# Altium PCB imx6ull开发板.PcbDoc (part 3 of 3) (continued)
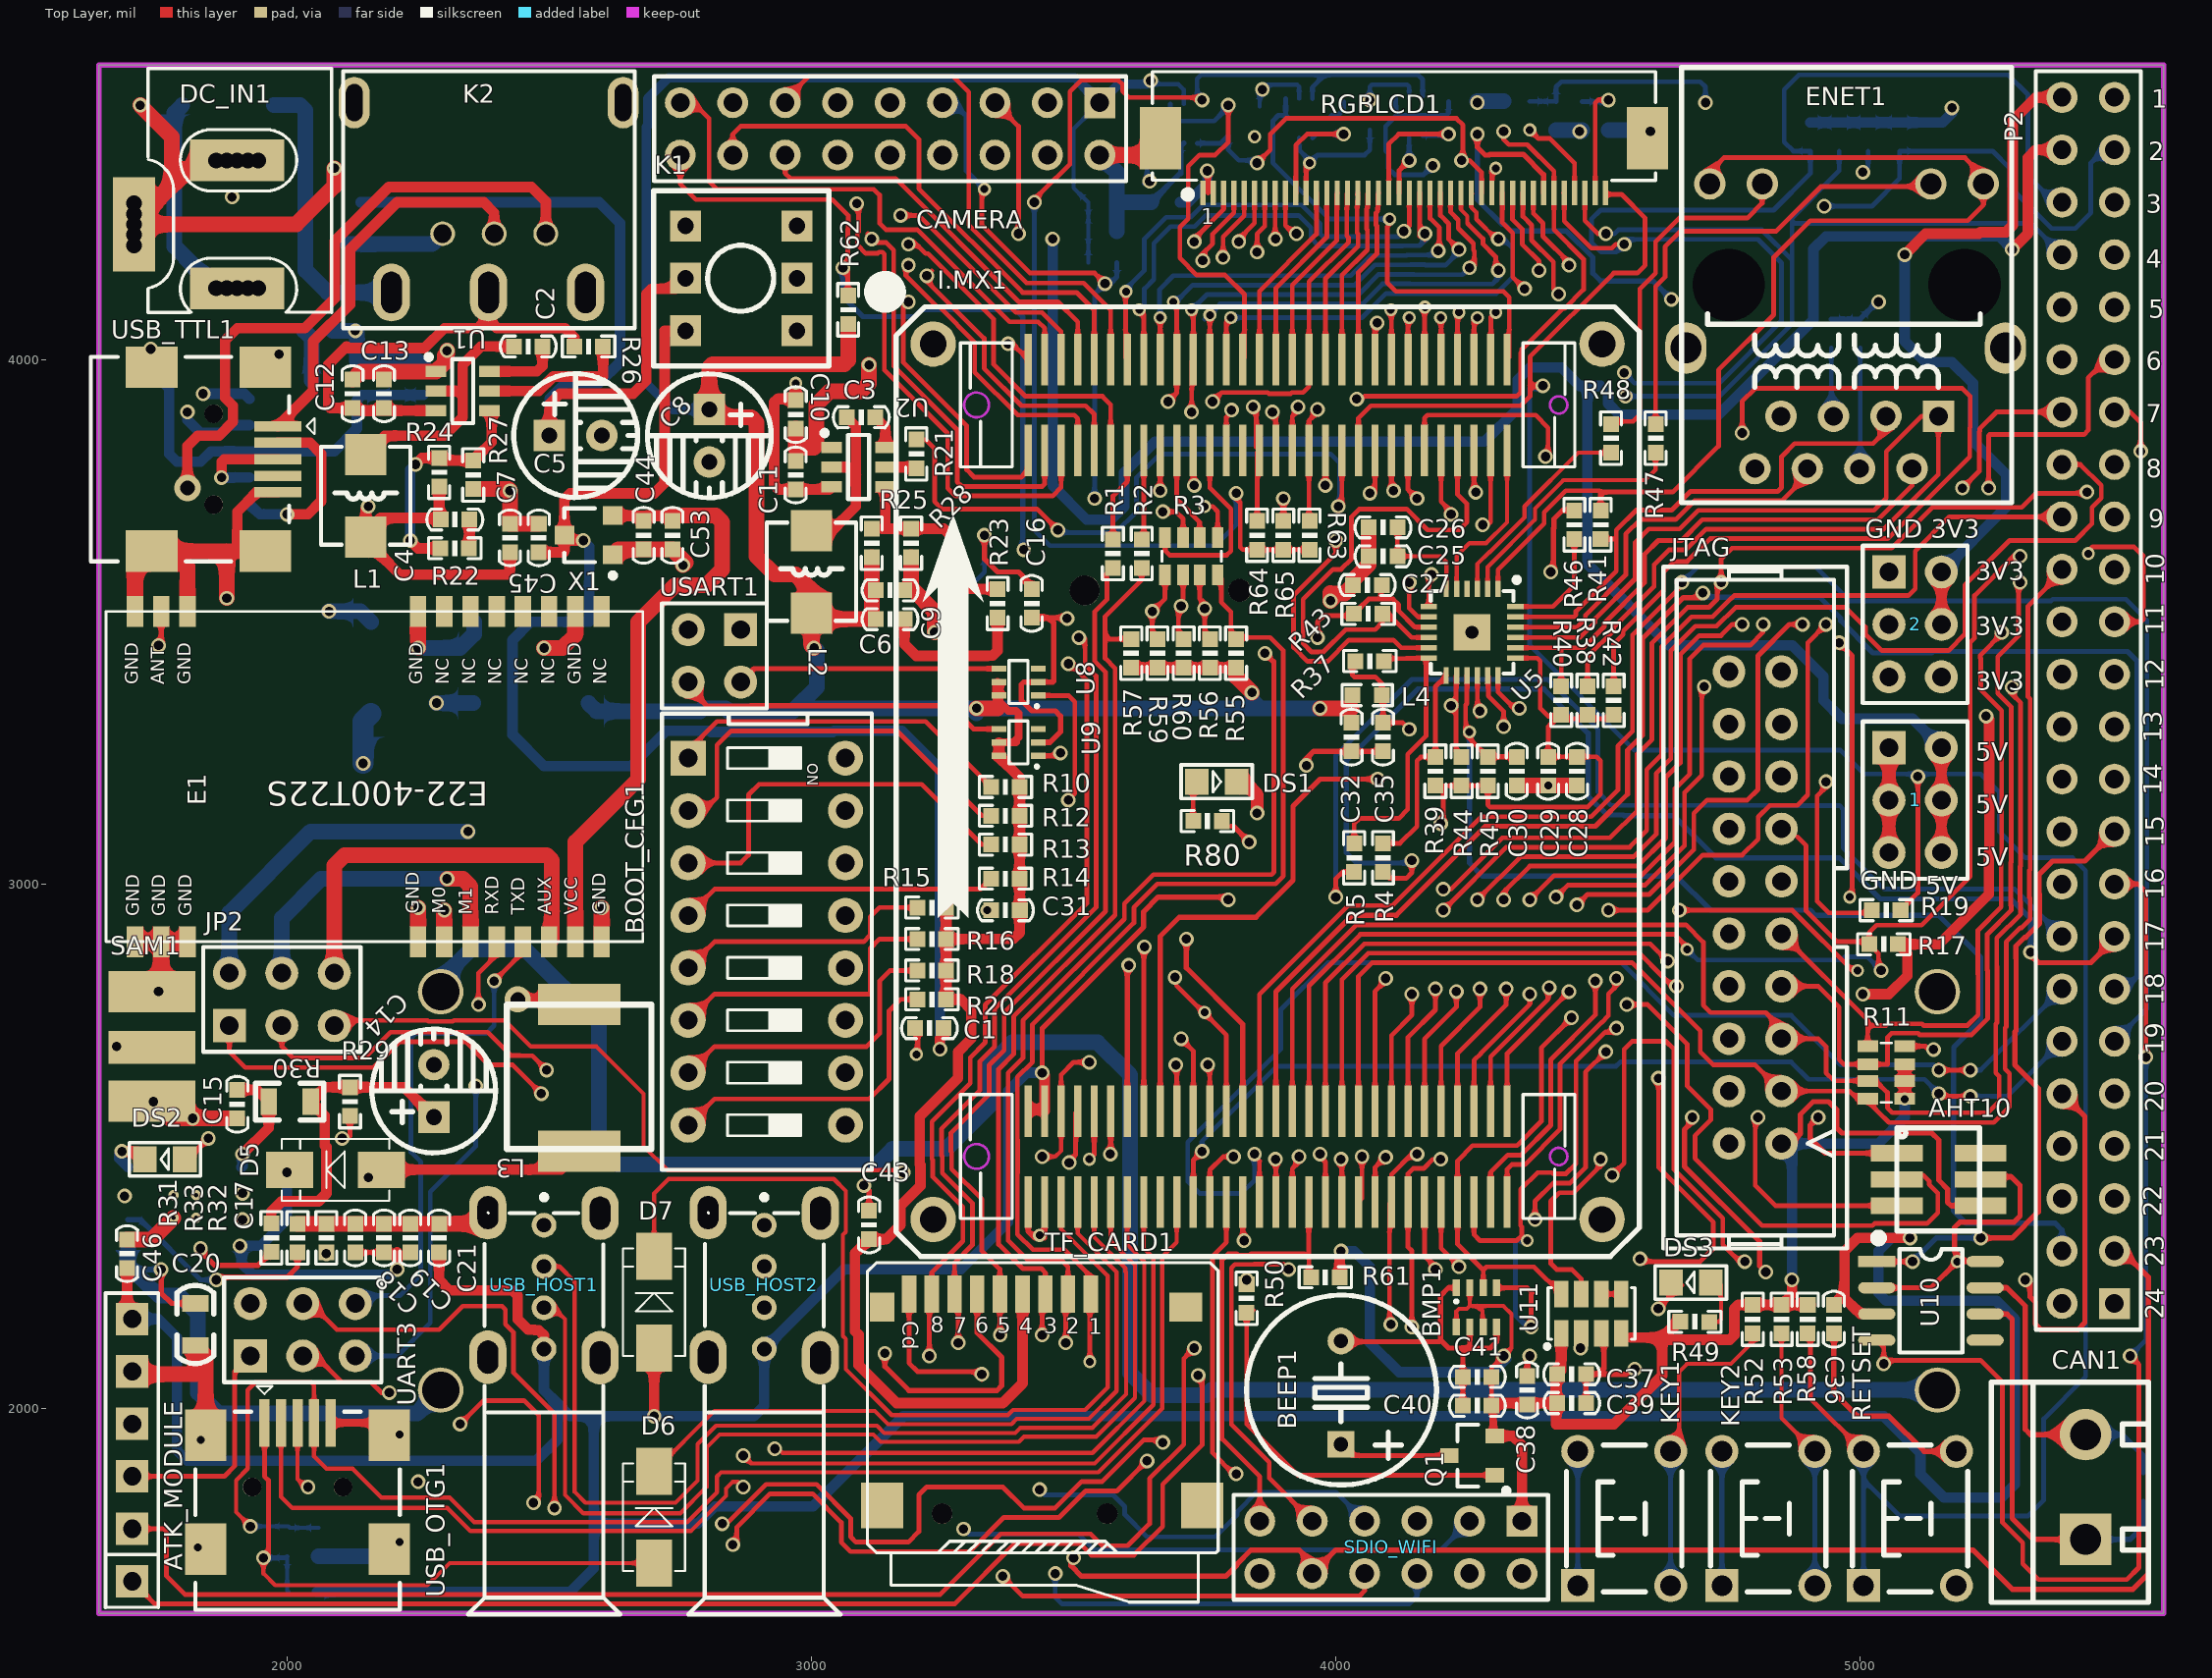
[diagram p0: Top Layer view]
## Nets (pads, with @x,y where several pads share a name; then routed paths per layer and width w, separated by ;. In a path a pad name is that pad's centre, name@x,y a point inside that pad or via, vN(x,y) a via of type N, cw(c..) or ccw(c..) an arc to the next point about the centre after c; other vN are vias at no path point) (continued)
RESET: I.MX1.J1_40 R19.1 R58.1 RETSET.1 RGBLCD1.40 | length 5198.4
  Top Layer w9: I.MX1.J1_40@4043.23,3826.89 4043.23,3888.23 4067,3912 4352.46,3912 4370.46,3930 4370.46,3950 ; v1(4395,3950) 4370.46,3950 ; RGBLCD1.40@4514.36,4317.79 4517.15,4315 4545,4315 4590,4270 4590,4180 4575,4165 4530,4165 4370.46,4005.46 4370.46,3950 ; R58.1@4905,2140 4905,2019.37 RETSET.1@5006.42,1917.95 ; R19.1@5077,2950 5110,2983 v1(5110,3205)
  Bottom Layer w9: v1(4395,3950) 4400,3945 4370,3945 4370,3455 4570,3255 4962.93,3255 5007.93,3210 5230,3210 5265,3175 5265,3100 5315,3050 5405,3050 5430,3025 5430,2060 5350,1980 5350,1825 5320,1795 5075,1795 5006.42,1863.58 ; RETSET.1@5006.42,1662.05 5006.42,1863.58 ; RETSET.1@5006.42,1917.95 5006.42,1863.58
RXD: U6.3 USART1.1 | length 1674
  PWR w20: v1@1807,3907 1807,3948.67 1826.33,3968 1972,3968 2080,3860 2080,3661.01 2132.01,3609 2709.33,3609 2741.33,3641 2834,3641 2865,3610 USART1.1@2865,3485
  Bottom Layer w20: v1(1810,3900) 1810,3885 1835.11,3859.89 1875.21,3859.89 1890.32,3875 U6.3@1928.27,3875
SGM_CTRL: R63.2 R64.2 R65.2 U12.6 U13.6 U14.6 | length 2430.7
  Top Layer w9: v1(3425,4300) 3425,4305 3466.97,4346.97 3467.82,4346.97 3493.03,4372.18 3493.03,4511.17 3514.88,4533.03 3585.12,4533.03 3593.03,4525.12 3593.03,4511.97 3605,4500 3745,4500 v1(3745,4495) ; v1(3810,3745) 3810,3735 3818,3727 3818,3642 3822.5,3637.5 R64.2@3849.94,3637.5 R65.2@3899.94,3637.5 R63.2@3949.94,3637.5
  Bottom Layer w9: v1(3425,4300) 3425,3675 3455,3645 3770,3645 3810,3685 v1(3810,3745) ; U14.6@3735.59,4495 3735.59,4535.59 3742.88,4542.88 3979.06,4542.88 ; U12.6@3955.59,4497.4 3955.59,4519.41 3979.06,4542.88 ; U13.6@4165.59,4502.4 4165.59,4534.41 4157.12,4542.88 3979.06,4542.88
SNVS_TAMPER0: I.MX1.J2_6 P2.3 SDIO_WIFI.10 | length 3726.5
  Top Layer w10: v1(3500,1715) 3495,1710 3495,1700 3515,1680 3790,1680 3811.47,1701.47 3811.47,1703.03 3838.44,1730 3930,1730 3955,1705 SDIO_WIFI.10@3955,1685 4000,1730 5215,1730 5290,1655 5520,1655 5550,1685 5550,2250 5500,2300 P2.3@5485,2300 ; v1(3570,2485) 3570.79,2485.79 I.MX1.J2_6@3570.79,2567.05
  PWR w10: v1(3500,1715) 3500,2100 3570,2170 v1(3570,2485)
SNVS_TAMPER2: I.MX1.J2_12 P2.8 SDIO_WIFI.9 | length 4163.3
  Top Layer w9: v1(3755.77,2655.24) 3759.76,2655.24 I.MX1.J2_12@3759.76,2567.05 ; v1(3910,2265) 3900,2275 3844.35,2275 3843.85,2274.5 3807.5,2274.5 3801,2268 3801,1969 3873,1897 3873,1867 SDIO_WIFI.9@3955,1785
  PWR w9: v1(3755.77,2655.24) 3755.77,2645.77 3737.5,2627.5 3672.5,2627.5 3659,2614 3659,2421 3715,2365 3805.65,2365 3806.15,2365.5 3879.5,2365.5 3910,2335 v1(3910,2265) ; SDIO_WIFI.9@3955,1785 3998.03,1828.03 4272.82,1828.03 4298.03,1802.82 4298.03,1741.97 4311.97,1728.03 4523.52,1728.03 4542.54,1709 5264.91,1709 5356,1800.09 5356,2031 5481.97,2156.97 5520.12,2156.97 5550,2186.85 5550,2600 5500,2650 5455,2650 5428.03,2623.03 5428.03,2543.03 P2.8@5385,2500
TXD: U6.2 USART1.3 | length 1350.3
  PWR w20: v1(1840,3935) 1841.67,3933.33 1956.67,3933.33 2050,3840 2050,3650 2120,3580 2730,3580 2765,3545 USART1.3@2765,3485
  Bottom Layer w20: v1(1840,3935) 1918.27,3935 U6.2@1928.27,3925
UART1_RXD: I.MX1.J2_46 P2.14 U9.1 | length 3727.7
  Top Layer w9: U9.1@3432.4,3244.41 3469.41,3244.41 v1(3475,3250) ; v1(3845,2485) 3845,2481.5 3855,2471.5 3854.25,2470.75 I.MX1.J2_46@3854.25,2393.82 ; v1@5150,2655 v1(5150,2645) v1(5210,2645)
  PWR w9: v1(3475,3250) 3485,3240 3574.54,3240 3665.78,3148.77 3665.78,2810.74 3681.88,2794.63 3704.67,2794.63 3765.04,2855 3925,2855 3954,2826 3954,2588.54 3859.96,2494.5 3849.5,2494.5 3845,2490 v1(3845,2485)
  Bottom Layer w9: v1(3845,2485) 3845,2435 3820,2410 3740,2410 3717.5,2432.5 3717.5,2507.5 3895,2685 3895,2760 3985,2850 4543.89,2850 4644.39,2749.5 4868.43,2749.5 4962.93,2655 5140,2655 v1(5150,2645) ; v1@5202.33,2645 v1(5210,2645) 5230,2645 P2.14@5385,2800
UART1_TXD: I.MX1.J2_50 P2.12 U8.1 | length 3479.7
  Top Layer w9: U8.1@3432.4,3359.41 3490.59,3359.41 3502.5,3347.5 3502.5,3172.5 v1(3490,3160) ; I.MX1.J2_50@3728.27,2393.82 3728.27,2473.27 v1(3745,2490) v1@3745,2485 ; v1(5150,2600) 5155,2595 v1(5210,2595) 5205,2590 v1@5205,2600
  PWR w9: v1(3490,3160) 3490,2805 3518.37,2776.63 3712.12,2776.63 3770.5,2835 3895,2835 3930,2800 3930,2590 3852.5,2512.5 3761.39,2512.5 3738.89,2490 v1(3745,2490)
  Bottom Layer w9: v1(3745,2490) 3745,2509.54 3887.96,2652.5 4534.5,2652.5 4542.5,2660.5 4868.43,2660.5 4901.43,2627.5 5122.5,2627.5 v1(5150,2600) ; v1(5210,2595) 5280,2595 P2.12@5385,2700
UART2_CTS: I.MX1.J2_39 P2.20 | length 2147.7
  Top Layer w9: I.MX1.J2_39@4074.72,2393.82 4075,2394.09 4075,2460 4093.89,2478.89 v1(4095,2478.89)
  PWR w9: v1(4095,2478.89) 4090,2483.89 4155.72,2549.61 4547.22,2549.61 4695.82,2401 4782.1,2401 4782.6,2401.5 4907.87,2401.5 5010.37,2504 5272.37,2504 5294,2525.63 5294,2934 5315,2955 5405,2955 5430,2980 5430,3055 P2.20@5385,3100
UART2_RTS: I.MX1.J2_40 P2.18 | length 2033.5
  Top Layer w9: I.MX1.J2_40@4043.23,2393.82 4050,2400.59 v1(4050,2480)
  PWR w9: v1(4050,2480) 4050,2473.89 4143.72,2567.61 4554.67,2567.61 4703.28,2419 4774.65,2419 4775.15,2419.5 4900.41,2419.5 5002.91,2522 5264.91,2522 5276,2533.09 5276,2981 5295,3000 P2.18@5385,3000
UART2_RXD: I.MX1.J2_41 P2.22 | length 2250.1
  Top Layer w9: v1(4010,2475) 4011.73,2473.27 I.MX1.J2_41@4011.73,2393.82
  PWR w9: v1(4010,2475) 4010,2478.89 4116.72,2585.61 4562.13,2585.61 4710.73,2437 4767.19,2437 4767.69,2437.5 4892.96,2437.5 4998,2542.54 5250,2542.54 5258,2550.54 5258,3178 5280,3200 P2.22@5385,3200
UART2_TXD: I.MX1.J2_42 P2.24 | length 2380.7
  Top Layer w9: v1(3970,2485) 3970,2480 3980.24,2469.76 I.MX1.J2_42@3980.24,2393.82
  PWR w9: v1(3970,2485) 3970,2475 4098.61,2603.61 4569.58,2603.61 4718.19,2455 4759.73,2455 4760.23,2455.5 4885.5,2455.5 4990.54,2560.54 5225.54,2560.54 5240,2575 5240,3250 5290,3300 P2.24@5385,3300
UART3_RXD: I.MX1.J2_37 P2.35 UART3.4 | length 6254
  Top Layer w9: UART3.4@2030,2200 2045,2200 2095,2150 2290,2150 2335,2195 2410,2195 2416.5,2188.5 2416.5,2160.27 2431.93,2144.83 2431.93,2068.07 2510,1990 v1(2510,1810) ; v1(2830,1780) 2838.89,1780 2913.89,1855 3010,1855 3075,1790 3075,1755 3085,1745 3185,1745 3205,1765 3205,1835 3220,1850 3365,1850 3405,1810 3465,1810 3515.5,1860.5 3554.5,1860.5 3634,1940 v1@3665,1940 ; v1(4145,2155) 4145,2300.43 4137.72,2307.72 I.MX1.J2_37@4137.72,2393.82 4137.72,2447.72 4147.5,2457.5 4167.5,2457.5 4185,2475 v1(4200,2475) ; P2.35@5485,3900 5515,3900 5535,3880 v1(5535,3825)
  PWR w9: v1(2510,1810) 2580,1740 2805,1740 2830,1765 v1(2830,1780) ; v1(3670,1935) 3670,1965 3682,1977 4067.46,1977 4145,2054.54 v1(4145,2155) ; v1(4200,2475) 4315,2475 4353.61,2513.61 4532.31,2513.61 4681.91,2364 4796.01,2364 4797.51,2365.5 4922.78,2365.5 5025.28,2468 5287.28,2468 5330,2510.72 5330,2740 5340,2750 5535,2750 5560,2775 5560,3825 5555,3830 5540,3830 v1(5535,3825)
UART3_TXD: I.MX1.J2_38 P2.33 UART3.3 | length 5984.6
  Top Layer w9: UART3.3@2030,2100 2055,2100 2105,2050 2160,2050 2180,2030 v1(2195,2030) ; v1(2330,1970) 2375,2015 2452,2015 2480,1987 2480,1825 2475,1820 v1(2470,1820) ; v1(2850,1740) 2857.5,1747.5 2857.5,1773.15 2921.35,1837 3002.54,1837 3057,1782.54 3057,1744.54 3074.54,1727 3302,1727 3367,1792 3472.46,1792 3522.96,1842.5 3582.5,1842.5 v1(3640,1900) ; v1(4105,2160) 4102.5,2162.5 4102.5,2390.1 I.MX1.J2_38@4106.22,2393.82 4106.22,2446.22 4145,2485 v1(4155,2485)
  PWR w9: v1(2195,2030) 2195,2000 2219,1976 2324,1976 v1(2330,1970) ; v1(2470,1820) 2470,1811.11 2566.11,1715 2835,1715 2850,1730 v1(2850,1740) ; v1(3640,1900) 3640,1965 3670,1995 4060,1995 4110,2045 v1@4110,2160 ; v1(4155,2485) 4155,2510 4176.61,2531.61 4539.76,2531.61 4689.37,2382 4788.56,2382 4790.06,2383.5 4915.32,2383.5 5017.82,2486 5279.82,2486 5312,2518.18 5312,2797 5365,2850 5425,2850 5441.97,2866.97 5441.97,2917.82 5467.18,2943.03 5468.03,2943.03 5480,2955 5525,2955 5542,2972 5542,3778 5520,3800 P2.33@5485,3800
UART_3V3: C22.2 C23.2 U6.4 U6.16 U7.2 | length 776.6
  Bottom Layer w20: U6.16@1711.73,3975 1716.73,3970 1750,3970 1775,3945 1775,3820 1790,3805 1835,3805 1855,3825 U6.4@1928.27,3825 2090,3825 2133.31,3868.31 U7.2@2133.31,3922.6 2143.21,3932.5 C23.2@2210.06,3932.5 C22.2@2260.06,3932.5
USB_OTG1_DN: I.MX1.J2_53 USB_HOST2.2 USB_OTG1.2 | length 2693.1
  Top Layer w8: USB_OTG1.2@1988.51,1972.36 1988.51,1831.49 2010,1810 2305.96,1810 2349.96,1766 2770.04,1766 2837,1832.96 2837,1847 2850,1860 2860,1860 v1(2870,1850) ; v1(2870,1910) 2885,1895 3540.21,1895 3652,2006.79 3652,2287.04 3633.78,2305.26 I.MX1.J2_53@3633.78,2393.82
  PWR w8: v1(2870,1850) v1(2870,1910) 2870,2160 2901.93,2191.93 USB_HOST2.2@2910,2191.93
USB_OTG1_DP: I.MX1.J2_54 USB_HOST2.3 USB_OTG1.3 | length 2698.7
  Top Layer w8: USB_OTG1.3@2020,1972.36 2020,1865 2035,1850 v1(2040,1850) ; v1(2930,1923) 2937,1923 2945,1915 3536.17,1915 3635,2013.83 3635,2280 3602.28,2312.72 I.MX1.J2_54@3602.28,2393.82
  PWR w8: v1(2040,1850) 2040,1865 2060,1885 2120,1885 2155,1850 2240,1850 v1(2250,1860) 2800,1860 2845,1815 2915,1815 2930,1830 v1(2930,1923) 2950,1943 2950,2230.67 USB_HOST2.3@2910,2270.67
USB_OTG1_ID: I.MX1.J2_51 R34.1 R35.2 USB_OTG1.4 | length 2864.4
  Top Layer w8: v1(1930,1775) 1902.67,1802.33 1902.67,1862.72 1925,1885.05 1925,2035 1940,2050 2045,2050 2051.5,2043.5 USB_OTG1.4@2051.5,1972.36 2051.5,1908.5 2075,1885 2125,1885 2180,1830 2310,1830 2357,1783 2763,1783 2820,1840 2820,1870 2828,1878 3547.25,1878 3669,1999.75 3669,2289 3696.77,2316.77 I.MX1.J2_51@3696.77,2393.82
  Bottom Layer w8: v1(1930,1775) 2002.5,1775 2005,1772.5 R35.2@2059.94,1772.5
USB_OTG1_VBUS: D6.2 I.MX1.J2_57 | length 1357.7
  Top Layer w8: D6.2@2700,1880 2815,1995 3120.96,1995 3145.96,1970 3381.57,1970 3391.57,1980 3529.04,1980 3582,2032.96 3582,2259.91 3507.8,2334.12 I.MX1.J2_57@3507.8,2393.82
USB_OTG2_DN: I.MX1.J2_55 USB_HOST1.2 | length 2025.3
  Top Layer w8: USB_HOST1.2@2490,2191.93 2508.07,2191.93 2530,2170 2530,1835 2565,1800 2750,1800 2800,1850 2800,1925 2825,1950 3117.88,1950 3131.88,1936 3395.65,1936 3405.65,1946 3543.12,1946 3617,2019.88 3617,2273 3570.79,2319.21 I.MX1.J2_55@3570.79,2393.82
USB_OTG2_DP: I.MX1.J2_56 USB_HOST1.3 | length 2061.9
  Top Layer w8: USB_HOST1.3@2490,2270.67 2519.33,2270.67 2548.57,2241.43 2548.57,1840.47 2569.04,1820 2740.96,1820 2783,1862.04 2783,1932.04 2817.96,1967 3124.92,1967 3138.92,1953 3388.61,1953 3398.61,1963 3536.08,1963 3600,2026.92 3600,2260 3599,2261 3599,2266.96 3539.29,2326.67 I.MX1.J2_56@3539.29,2393.82
USB_OTG2_VBUS: D7.2 I.MX1.J2_58 | length 1799.2
  Top Layer w8: D7.2@2700,2290 2700,2410 2727.48,2437.48 3042.52,2437.48 3065.43,2414.57 3065.43,2336.49 3060,2331.05 3060,2137.95 3065.43,2132.51 3065.43,2074.57 3153,1987 3374.53,1987 3384.53,1997 3522,1997 3565,2040 3565,2252.87 3476.3,2341.57 I.MX1.J2_58@3476.3,2393.82
USB_OTG_VBUS: D6.1 R34.2 R36.2 USB_OTG1.1 | length 1183.9
  Top Layer w8: v1(1955,1715) 1955,1685 1977.38,1662.62 2267.62,1662.62 2310,1705 D6.1@2700,1705
  Top Layer w9: v1(1955,1715) 1960,1715 1964.61,1719.61 1964.61,1862.93 1957.01,1870.52 USB_OTG1.1@1957.01,1972.36
  Bottom Layer w8: R34.2@2000.06,1717.5 2000.06,1652.37 R36.2@2002.5,1649.94
  Bottom Layer w9: v1(1955,1715) 1997.56,1715 R34.2@2000.06,1717.5
USDHC1_CD_B: I.MX1.J2_43 R61.1 SDIO_WIFI.11 TF_CARD1.9 | length 2265.5
  Top Layer w9: TF_CARD1.9@3186.18,2217.64 3186.18,2086.32 3202.5,2070 3320,2070 v1(3325,2065) v1@3325,2055 ; SDIO_WIFI.11@3845,1795 SDIO_WIFI.11@3855,1785 3855,1870 3783,1942 3783,2283 3795,2295 3811.11,2295 3813.61,2292.5 3836.39,2292.5 3838.89,2295 3940,2295 3948,2287 3948,2393.08 I.MX1.J2_43@3948.74,2393.82 3948.74,2250.74 R61.1@3948,2250
  PWR w9: v1(3325,2065) 3325,1685 3335,1675 3330,1670 3354.88,1645.12 3738.12,1645.12 3855,1762 SDIO_WIFI.11@3855,1785
USDHC1_CLK: R1.2 SDIO_WIFI.8 TF_CARD1.5 | length 2861.4
  Top Layer w9: v1(3360,2140) 3359.41,2140.59 TF_CARD1.5@3359.41,2217.64 3359.41,2265.59 3325,2300 3325,2321.9 3325.01,2398.8 3267.5,2456.31 3267.5,2488.31 3266,2489.81 3266,2525.54 3338.92,2598.46 3338.92,2654.18 3367.5,2682.76 3367.5,2754.63 3561,2948.13 3561,3403.91 3540,3424.91 3540,3519.09 3563.5,3542.59 3563.5,3584.24 3556.68,3584.24 R1.2@3574.94,3602.5 ; v1(3365,1680) 3403.03,1641.97 4044.85,1641.97 4055,1652.12 SDIO_WIFI.8@4055,1685
  PWR w9: v1(3360,2140) 3365,2135 v1(3365,1680)
USDHC1_CMD: R2.2 R57.1 SDIO_WIFI.7 TF_CARD1.3 | length 2729.6
  Top Layer w9: v1(3440,2140) 3440,2211.61 TF_CARD1.3@3446.02,2217.64 3446.02,2258.98 3438.43,2266.57 3402.97,2266.57 3356.92,2312.63 3356.92,2646.72 3385.5,2675.3 3385.5,2747.17 3579,2940.67 3579,3411.37 3560,3430.37 3560,3475 ; R57.1@3610,3467 3568,3467 3560,3475 ; R2.2@3629.94,3602.5 3629.94,3579.94 3560,3510 3560,3475
  PWR w9: v1(3435,1845) 3435,2135 v1(3440,2140)
  Bottom Layer w9: v1(3435,1845) 3445,1835 3575.32,1835 3597.32,1813 3597.32,1797.68 3640,1755 3770,1755 3811.97,1796.97 3811.97,1802.82 3849.15,1840 4000,1840 SDIO_WIFI.7@4055,1785
USDHC1_DATA0: R3.8 R59.1 SDIO_WIFI.3 TF_CARD1.7 | length 3196.6
  Top Layer w9: v1(3280,2125) 3280,2222.8 3272.8,2230 3272.8,2277.34 3307,2311.54 3307,2329.36 3307.01,2391.34 3249.5,2448.85 3249.5,2480.86 3248,2482.36 3248,2533 3320.92,2605.92 3320.92,2661.63 3349.5,2690.21 3349.5,2762.08 3543,2955.58 3543,3396.46 3522,3417.46 3522,3468 3520,3470 v1(3510,3470) ; R59.1@3650,3467 v1(3650,3520) ; v1(3650,3520) 3674.37,3544.34 R3.8@3674.37,3589.34
  PWR w9: v1(3280,2125) 3290,2115 v1(3290,1770) ; v1(3510,3470) 3510,3490 3530,3510 3640,3510 v1(3650,3520)
  Bottom Layer w9: v1(3290,1770) 3300,1760 3510,1760 3540,1730 4200,1730 SDIO_WIFI.3@4255,1785
USDHC1_DATA1: R3.6 R60.1 SDIO_WIFI.4 TF_CARD1.8 | length 3404.1
  Top Layer w9: v1(3225,2100) 3225,2213.15 TF_CARD1.8@3229.49,2217.64 3229.49,2259.49 3289,2319 3289,2336.81 3289.01,2383.88 3231.5,2441.4 3231.5,2473.4 3230,2474.9 3230,2547.08 3302.92,2620 3302.92,2669.09 3331.5,2697.67 3331.5,2769.54 3525,2963.04 3525,3389 3494,3420 v1(3490,3420) ; R60.1@3700,3467 v1@3700,3530 ; 3708.82,3544.34 R3.6@3708.82,3589.34
  PWR w9: v1(3225,2100) 3215.99,2090.99 3215.99,1749.01 3337.88,1627.12 4235,1627.12 4255,1647.12 SDIO_WIFI.4@4255,1685 ; v1(3490,3420) 3505,3435 3670,3435 3705,3470 v1(3705,3530)
USDHC1_DATA2: R3.2 R55.1 SDIO_WIFI.5 TF_CARD1.1 | length 3195
  Top Layer w9: v2(3530.95,2089.05) 3530.95,2215.95 TF_CARD1.1@3532.64,2217.64 3532.64,2252.36 3482.43,2302.57 3422.43,2302.57 3392.92,2332.08 3392.92,2448.62 3393,2448.71 3393,2512.16 3392.92,2512.24 3392.92,2631.81 3421.5,2660.39 3421.5,2732.26 3615,2925.76 3615,2955 3660,3000 3885,3000 3900,3015 3900,3445 3875,3470 3803,3470 3800,3467 3800,3519.1 3781.58,3537.53 3781.58,3575.03 3782.05,3575.03 3782.05,3582.05 R3.2@3774.77,3589.34
  PWR w9: v2@3530,2090 v2(3530.95,2089.05) 3530.95,1734.05 3555,1710 3765,1710 3811.97,1756.97 3811.97,1802.82 3838.15,1829 3876,1829 3900,1805 3900,1755 3920,1735 4110,1735 4155,1780 SDIO_WIFI.5@4155,1785
USDHC1_DATA3: R3.4 R56.1 SDIO_WIFI.6 TF_CARD1.2 | length 3297.7
  Top Layer w9: v1(3485,2125) 3485,2213.31 TF_CARD1.2@3489.33,2217.64 3489.33,2270.21 3474.97,2284.57 3410.43,2284.57 3374.92,2320.08 3374.92,2456.08 3375,2456.16 3375,2504.7 3374.92,2504.79 3374.92,2639.26 3403.5,2667.85 3403.5,2739.72 3597,2933.22 3597,2962.46 3652.54,3018 3877.54,3018 3882,3022.46 3882,3425 3880,3425 v1(3865,3440) ; R3.4@3740.32,3589.34 3740.32,3544.34 v1@3750,3534.66 ; R56.1@3750,3467 v1(3750,3525)
  PWR w9: v1(3465,1685) 3465,2105 v1(3485,2125) ; v1(3750,3525) 3750,3455 3765,3440 v1(3865,3440)
  Bottom Layer w9: v1(3465,1685) 3465,1640 3477.88,1627.12 4140,1627.12 4155,1642.12 SDIO_WIFI.6@4155,1685
VBTN: C4.1 C5.1 C7.2 K1.2 L1.2 R24.1 R100.1 | length 2614.1
  Top Layer w20: v1(2155,3720) 2150,3715 L1.2@2150,3670 ; R24.1@2290,3758 2290,3698 2178,3698 L1.2@2150,3670 ; C7.2@2424.94,3632.5 2424.94,3595.06 2419.87,3590 2215,3590 2150,3655 L1.2@2150,3661.26 L1.2@2150,3670 ; C5.1@2500.42,3855.23 2500.42,3915.42 2520,3935 2660,3935 2685,3960 2685,4125 2695,4135 2740,4135 K1.2@2760,4155
  PWR w20: v1(2155,3720) 2158,3717 2472,3717 2500.42,3745.42 C5.1@2500.42,3855.23
  Bottom Layer w20: 2140,4300 2595,4300 2635,4260 2635,3995 2595,3955 2530,3955 2500.42,3925.42 C5.1@2500.42,3855.23
VCHRGING: C14.1 L3.1 R29.2 R30.2 R31.2 SW1.1 | length 3687.4
  Top Layer w20: v4(1810,3755) 1810,3835 1830,3855 1870.32,3855 1896.72,3881.4 1896.72,3911.82 1881.77,3926.77 1881.77,4036.77 1905,4060 2033.99,4060 2091,4117.01 2091,4226.01 2193.99,4329 2466,4329 2493.43,4301.57 SW1.1@2493.43,4240 ; R31.2@1970.06,2352.5 1970.06,2375.06 1990,2395 2060,2395 2075,2410 2075,2498.33 2072,2501.33 2072,2558 R30.2@2045,2585 2072.5,2612.5 R29.2@2120.06,2612.5 2222.7,2612.5 C14.1@2279.77,2555.42 ; v4(2440,2780) 2547.2,2780 L3.1@2557.2,2770
  PWR w20: C14.1@2279.77,2555.42 2380.42,2555.42 2440,2615 v4(2440,2780)
  PWR w30: v4(1810,3755) 1810,3680 1860,3630 1915,3630 1940,3605 1940,3545 2030,3455 2155,3455 2245,3365 2245,3300 2295,3250 2395,3250 2440,3205 v4(2440,2780)
VDD_COIN_3V: BAT1.1 C16.2 I.MX1.J1_42 | length 1160.9
  Top Layer w9: v1(3980,3760) 3980,3750.47 3980.24,3750.24 I.MX1.J1_42@3980.24,3826.89
  Top Layer w10: v1(3330,3665) 3330,3620 3355,3595 3395,3595 C16.2@3415,3575 ; C16.2@3420.06,3562.5 3405,3577.56 ; 3405,3577.56 3405,3580 3407.44,3577.56 3405,3577.56
  PWR w9: v1(3330,3665) 3325,3670 3405,3750 3510,3750 3585,3825 3955,3825 3980,3800 v1(3980,3760)
  Bottom Layer w9: BAT1.1@3295,3560 3330,3595 v1(3330,3665)
VENET_3V3: C27.2 C28.2 C29.2 C35.2 ENET1.9 ENET1.12 L4.1 R37.2 R38.2 R39.2 R40.2 R41.2 R42.2 R43.2 R44.2 R45.2 U5.1 U5.9 U5.19 | length 6021.5
  Top Layer w9: v1(3965,3470) 3965,3500 3976.5,3511.5 4034.22,3511.5 R43.2@4034.22,3515.06 4062.65,3543.5 4085,3543.5 ; R37.2@4034.22,3430.06 4031.47,3427.31 4031.47,3398.53 4035,3395 4075,3395 4088.25,3381.75 L4.1@4088.25,3360 ; 4085,3552.5 4085,3543.5 ; 4087.5,3552.5 C27.2@4087.5,3569.94 ; C35.2@4090.06,3307.5 4127.5,3307.5 v1(4140,3295) ; C35.2@4090.06,3317.5 L4.1@4090.06,3360 ; U5.9@4177.28,3489.84 4150.61,3489.84 4120,3520.46 4120,3532.81 4109.31,3543.5 4085,3543.5 ; v1(4200,3115) 4205,3120 4205,3187.5 R44.2@4239.94,3187.5 R45.2@4289.94,3187.5 4289.94,3151.14 4294.57,3146.5 4479.88,3146.5 4505,3171.62 4505,3235 4497.5,3242.5 C28.2@4460.06,3242.5 C29.2@4405.06,3242.5 4405.06,3300.06 4410,3305 4412.44,3305 R40.2@4427.44,3320 ; U5.1@4309.21,3562.72 4309.21,3599.21 4397.5,3687.5 4397.5,3708.71 4438.79,3750 4502.5,3750 4505.06,3747.44 ; U5.19@4342.72,3430.79 4384.21,3430.79 4390,3425 4390,3335 4405,3320 R40.2@4427.44,3320 ; R40.2@4429.94,3322.5 R40.2@4427.44,3320 ; R40.2@4440,3315 4538.26,3315 R42.2@4541,3317.74 ; R41.2@4505.06,3712.5 4505.06,3747.44 ; ENET1.12@4713.35,4316.65 ENET1.12@4713.35,4335 4713.35,4358.35 4740,4385 5200,4385 5235,4350 ENET1.9@5235,4335 5235,4295 5205,4265 4905,4265 4835,4195 4835,4085 4730,3980 4730,3835 4642.44,3747.44 4505.06,3747.44
  PWR w9: v1(3965,3470) 3935,3440 3935,3315 3985,3265 ; v1(4140,3295) 4125,3280 4000,3280 3985,3265 ; ENET1.12@4713.35,4335 4713.35,4273.35 4597,4157 4537,4157 4435.91,4055.91 4435.91,3979.09 4505,3910 4505,3160 4460,3115 v1(4200,3115) 4020,3115 3985,3150 3985,3265
VUSB: C24.2 SW1.2 U7.3 USB_TTL1.1 | length 855.4
  Top Layer w20: USB_TTL1.1@1982.36,3872.99 2050,3940.62 2050,4035 2120,4105 2120,4210 2210,4300 2375,4300 2395,4280 SW1.2@2395,4240
  Bottom Layer w30: C24.2@2032.5,4054.94 2046.69,4040.74 U7.3@2046.69,3960
pads on no net: AHT10.6 BAT1.0 E1.12 E1.14 E1.15 E1.16 E1.17 E1.18 ENET1.0 ENET1.7 I.MX1.0 I.MX1.J1_47 I.MX1.J2_52 JTAG.11 JTAG.17 JTAG.19 K1.1 K1.4 K1.5 K1.6 K2. P2.21 P2.23 SDIO_WIFI.12 TF_CARD1.0 U4. U5.4 U6.7 U6.8 U6.9 U6.10 U6.11 U6.12 U6.13 U6.14 U6.15 U8.3 U9.3 U10.5 U12.3 U13.3 USB_OTG1.MH1 USB_OTG1.MH2 USB_TTL1.4 USB_TTL1.MH1 USB_TTL1.MH2

## Polygon pours and split planes (outlines as drawn)
GND on GND (split plane): 5558.41,1628.72 1661.59,1628.72 1661.59,4541.28 5558.41,4541.28

## Keep-outs
Keep-Out Layer:
  the board outline again, w10

## Other copper
GND (plane layer: these items are gaps in the copper):
  rectangle: 1795,2375 1815,2395
  rectangle: 1680,4180 1735,4335
  rectangle: 1820,4350 1980,4410
  rectangle: 1830,4100 1985,4170

## Silkscreen, mask and mechanical layers (free items; w line width, h text height)
Top Overlay:
  text "1" at 5555,4480 h35
  text "2" at 5550,4380 h35
  text "3" at 5545,4280 h35
  text "4" at 5545,4175 h35
  text "5" at 5550,4080 h35
  text "6" at 5545,3980 h35
  text "7" at 5545,3880 h35
  text "8" at 5545,3775 h35
  text "9" at 5550,3680 h35
  text "GND" at 5010,3660 h35
  text "3V3" at 5135,3660 h35
  text "3V3" at 5220,3580 h35
  text "10" at 5580,3570 h35 r90
  text "3V3" at 5220,3475 h35
  text "11" at 5578.5,3475 h35 r90
  text "3V3" at 5220,3370 h35
  text "12" at 5578.5,3370 h35 r90
  text "13" at 5575,3270 h35 r90
  text "5V" at 5220,3235 h35
  text "14" at 5575,3170 h35 r90
  text "5V" at 5220,3135 h35
  text "15" at 5578.5,3070 h35 r90
  text "5V" at 5220,3035 h35
  text "GND" at 5000,2990 h35
  text "5V" at 5125,2980 h35
  text "16" at 5578.5,2970 h35 r90
  text "17" at 5578.5,2870 h35 r90
  text "18" at 5578.5,2770 h35 r90
  text "19" at 5578.5,2675 h35 r90
  text "20" at 5578.5,2565 h35 r90
  text "21" at 5578.5,2470 h35 r90
  text "22" at 5575,2365 h35 r90
  text "23" at 5578.5,2270 h35 r90
  text "24" at 5578.5,2170 h35 r90
Bottom Overlay:
  lines w10: 4270,3900 4740,3900 ; 4735,3970 4270,3970 4270,3645 4740,3645 4740,3965 ; 4735,3970 4740,3965 ; 4735,3970 4740,3965
  text "3V3" at 5215,4485 h35
  text "GND" at 5340,4485 h35
  text "1" at 5565,4480 h35
  text "5V" at 5180,4380 h35
  text "U4RX" at 5340,4380 h35
  text "2" at 5575,4380 h35
  text "MCLK" at 2710,4350 h35 r90
  text "D3" at 3055,4340 h35 r90
  text "D1" at 3170,4340 h35 r90
  text "HSYNC" at 3360,4340 h35 r90
  text "D5" at 2935,4335 h35 r90
  text "D7" at 2860,4330 h35 r90
  text "RST" at 3270,4320 h35 r90
  text "3" at 5570,4280 h35
  text "U4TX" at 5345,4265 h35
  text "U5RX" at 5155,4255 h35
  text "VSYNC" at 3480,4215 h35 r90
  text "I02_7" at 5350,4210 h35
  text "U5TX" at 5155,4205 h35
  text "4" at 5570,4175 h35
  text "PCLK" at 2860,4155 h35 r90
  text "PWDN" at 2700,4150 h35 r90
  text "D6" at 2930,4145 h35 r90
  text "D4" at 3050,4145 h35 r90
  text "D0" at 3270,4145 h35 r90
  text "D2" at 3180,4140 h35 r90
  text "II2_SDA" at 3372.83,4132 h35 r90
  text "3V3" at 3560,4120 h35 r90
  text "2_4" at 5350,4080 h35
  text "5" at 5570,4080 h35
  text "2_6" at 5130,4075 h35
  text "IIC2" at 3470,3990 h35 r90
  text "6" at 5570,3980 h35
  text "IO2_5" at 4910,3970 h35
  text "GND" at 3555,3965 h35 r90
  text "IO2_0" at 5235,3965 h35
  text "IO2_02" at 5075,3930 h35
  text "BOOT_CFG:1--8" at 4730,3915 h35
  text "7" at 5570,3875 h35
  text "U3_RX" at 5350,3865 h35
  text "USB: 01000000" at 4725,3850 h35
  text "SD : 10000010" at 4725,3795 h35
  text "8" at 5570,3775 h35
  text "U3_TX" at 5345,3765 h35
  text "MMC: 10100110" at 4725,3735 h35
  text "IO2_1" at 5085,3710 h35
  text "9" at 5570,3680 h35
  text "NAND:10001001" at 4725,3670 h35
  text "IO2_03" at 5140,3670 h35
  text "JMOD" at 5345,3665 h35
  text "10" at 5585,3635 h35 r90
  text "5V0" at 2505,3585 h35
  text "JNRST" at 4920,3585 h35
  text "IIC1:" at 4585,3575 h35
  text "JTMS" at 5345,3570 h35
  text "340_TX" at 2745,3545 h35 r270
  text "340_RX" at 2845,3545 h35 r270
  text "AHT10" at 4455,3525 h35
  text "11" at 5578.5,3515 h35 r90
  text "JTCK" at 4915,3480 h35
  text "JTDO" at 5345,3475 h35
  text "BMP280" at 4455,3470 h35
  text "12" at 5570,3425 h35 r90
  text "AP3216C" at 4455,3415 h35
  text "JTDI" at 5020,3380 h35
  text "GND" at 5340,3375 h35
  text "LED: GPIO1_IO03" at 4455,3350 h35
  text "13" at 5575,3325 h35 r90
  text "U1RX" at 2790,3295 h35
  text "U1TX" at 2970,3295 h35
  text "BEEP:GPIO5_IO01" at 4455,3275 h35
  text "NC" at 5335,3275 h35
  text "U2TX" at 5040,3260 h35
  text "14" at 5578.5,3230 h35 r90
  text "3V3" at 2465,3190 h35
  text "U2RX" at 5015,3165 h35
  text "NC" at 5330,3165 h35
  text "15" at 5570,3130 h35 r90
  text "U2CTS" at 5065,3085 h35
  text "CAN1T" at 5345,3075 h35
  text "E_AUX" at 2110,3065 h35 r90
  text "E_M0" at 1920,3040 h35 r90
  text "16" at 5570,3030 h35 r90
  text "E_M1" at 2005,3025 h35 r90
  text "CAN1RX" at 5350,2970 h35
  text "U2_RTS" at 5110,2965 h35
  text "17" at 5570,2925 h35 r90
  text "IO1_7" at 5350,2875 h35
  text "IO1_6" at 5140,2870 h35
  text "18" at 5575,2825 h35 r90
  text "IO1_8" at 5355,2765 h35
  text "U1_RX" at 5090,2760 h35
  text "19" at 5575,2735 h35 r90
  text "U1_TX" at 5085,2685 h35
  text "IO1_9" at 5340,2680 h35
  text "20" at 5570,2625 h35 r90
  text "IO1_4" at 5100,2580 h35
  text "IO1_2" at 5350,2575 h35
  text "TMP7" at 1875,2555 h35 r270
  text "21" at 5570,2520 h35 r90
  text "TAMPER2" at 5135,2480 h35
  text "IO1_1" at 5340,2480 h35
  text "TAMPER5" at 1970,2450 h35 r270
  text "TAMPER4" at 2075,2450 h35 r270
  text "22" at 5570,2430 h35 r90
  text "TAMPER7" at 5315,2415 h35
  text "TAMPER5" at 5065,2410 h35
  text "23" at 5570,2330 h35 r90
  text "TAMPER8" at 5040,2275 h35
  text "TAMPER0" at 5330,2275 h35
  text "U3_RX" at 2020,2250 h35 r270
  text "ATKTX" at 1955,2245 h35 r270
  text "E_TX" at 2100,2240 h35 r270
  text "24" at 5570,2230 h35 r90
  text "ON_OFF" at 5075,2170 h35
  text "TAMPER4" at 5345,2170 h35
  text "5V" at 1850,2155 h35
  text "3V3" at 4385,2070 h35 r90
  text "GND" at 1860,2050 h35
  text "CMD" at 4080,2050 h35 r90
  text "INT" at 3975,2040 h35 r90
  text "D2" at 4185,2025 h35 r90
  text "D0" at 4280,2020 h35 r90
  text "CD" at 3875,2010 h35 r90
  text "ATKTX" at 1910,1955 h35
  text "H" at 5550,1945 h35
  text "CLK" at 4090,1935 h35 r90
  text "GND" at 4385,1935 h35 r90
  text "E_RX" at 2110,1930 h35 r270
  text "REG" at 3975,1930 h35 r90
  text "U3_TX" at 2010,1895 h35 r270
  text "NC" at 3875,1895 h35 r90
  text "D3" at 4180,1895 h35 r90
  text "ATKRX" at 1945,1890 h35 r270
  text "D1" at 4275,1890 h35 r90
  text "ON_OFF" at 4845,1880 h35 r90
  text "GPIO1_1" at 4585,1870 h35 r90
  text "RESET" at 5120,1865 h35 r90
  text "ATKRX" at 1910,1845 h35
  text "IO2_1" at 1910,1750 h35
  text "L" at 5545,1720 h35
  text "IO2_3" at 1925,1640 h35

## Text inside footprints (layer, text, board x,y; h text height)
BOOT_CFG1: Top Overlay "ON" at 2985,3230 h35 r270
E1: Top Overlay "GND" at 1726.05,2938.19 h43.31 r90; Top Overlay "E22-400T22S" at 2383.5,3209.92 h78.74 r180; Top Overlay "M0" at 2310.66,2943.19 h43.31 r90; Top Overlay "M1" at 2361.01,2941.22 h43.31 r90; Top Overlay "RXD" at 2411.36,2941.22 h43.31 r90; Top Overlay "TXD" at 2461.71,2941.22 h43.31 r90; Top Overlay "AUX" at 2512.06,2941.22 h43.31 r90; Top Overlay "VCC" at 2562.41,2941.22 h43.31 r90; Top Overlay "GND" at 2615.91,2941.22 h43.31 r90; Top Overlay "GND" at 2260,2943.19 h43.31 r90; Top Overlay "NC" at 2617.87,3379.8 h43.31 r90; Top Overlay "GND" at 2568.71,3379.8 h43.31 r90; Top Overlay "NC" at 2518.36,3379.8 h43.31 r90; Top Overlay "NC" at 2468.01,3379.8 h43.31 r90; Top Overlay "NC" at 2417.66,3379.8 h43.31 r90; Top Overlay "NC" at 2367.31,3379.8 h43.31 r90; Top Overlay "NC" at 2316.96,3379.8 h43.31 r90; Top Overlay "GND" at 2266.61,3379.8 h43.31 r90; Top Overlay "GND" at 1724.09,3379.8 h43.31 r90; Top Overlay "ANT" at 1774.44,3379.8 h43.31 r90; Top Overlay "GND" at 1824.79,3379.8 h43.31 r90; Top Overlay "GND" at 1826.75,2938.19 h43.31 r90; Top Overlay "GND" at 1776.4,2938.19 h43.31 r90
RGBLCD1: Top Overlay "1" at 3742.64,4258.79 h30
TF_CARD1: Top Overlay "1" at 3528.64,2141.64 h30; Top Overlay "2" at 3485.64,2142.64 h30; Top Overlay "3" at 3443.64,2142.64 h30; Top Overlay "4" at 3396.64,2142.64 h30; Top Overlay "5" at 3354.64,2143.64 h30; Top Overlay "6" at 3312.64,2143.64 h30; Top Overlay "7" at 3270.64,2143.64 h30; Top Overlay "8" at 3226.64,2144.64 h30; Top Overlay "Cd" at 3173.64,2166.64 h30 r270